# Altium PCB BACKPMAN3Rev1.0.PcbDoc (part 2 of 4) (continued)
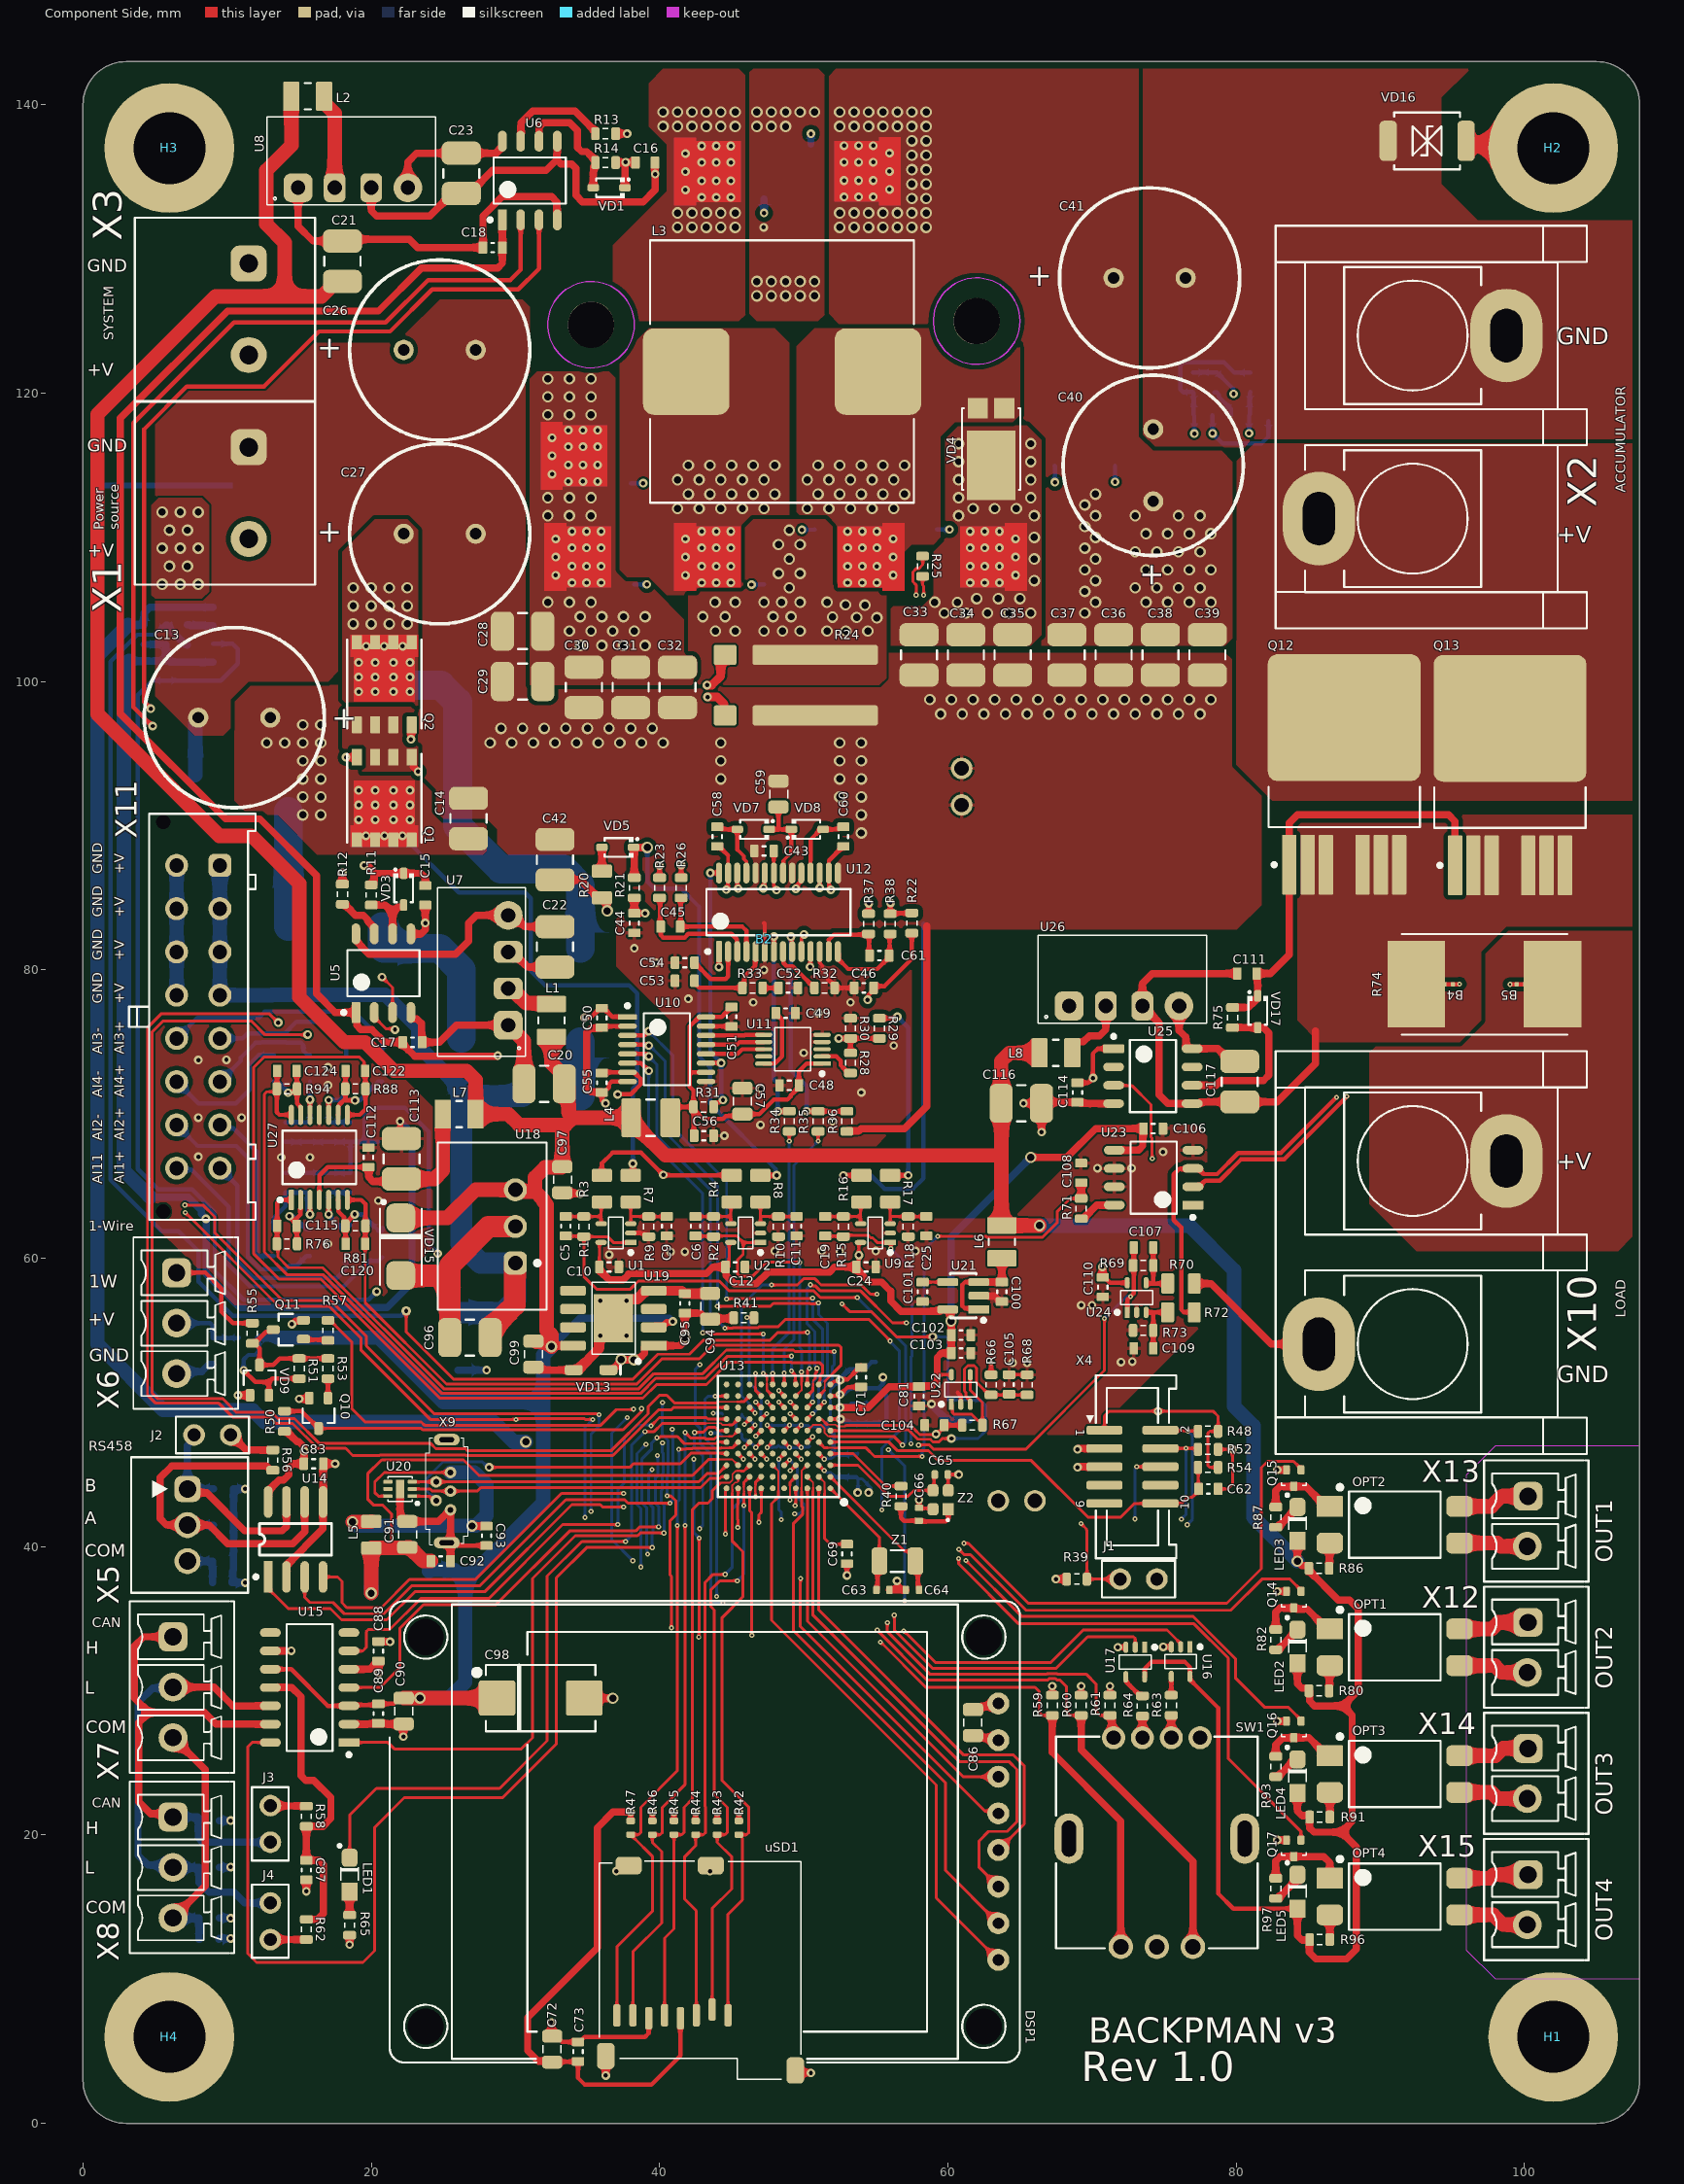
[diagram p0: Component Side view]
## Via types
v1: diameter 0.8, hole 0.5, Component Side to Bottom Layer, tented both sides, 351 vias
v2: diameter 0.6, hole 0.3, Component Side to Bottom Layer, tented both sides, 188 vias
v3: diameter 0.35/0.4/0.4/0.35 (per signal layer), hole 0.15, Component Side to Bottom Layer, tented both sides, 156 vias
v4: diameter 0.61, hole 0.3, Component Side to Bottom Layer, 135 vias
v5: diameter 0.7, hole 0.3, Component Side to Bottom Layer, 4 vias
v6: diameter 0.65, hole 0.3, Component Side to Bottom Layer, tented both sides, 2 vias
v7: diameter 0.63, hole 0.3, Component Side to Bottom Layer, tented both sides, 1 vias

## Nets (pads, with @x,y where several pads share a name; then routed paths per layer and width w, separated by ;. In a path a pad name is that pad's centre, name@x,y a point inside that pad or via, vN(x,y) a via of type N, cw(c..) or ccw(c..) an arc to the next point about the centre after c; other vN are vias at no path point)
1W: R55.1 X6.1 | length 7.6
  Component Side w0.3: X6.1@6.5,59 8.5,59 9.6,57.9 9.6,56.3 10.4,55.5 R55.1@11.75,55.5
1WRX: Q10.3 R50.2 U13.H5 | length 37.2
  Component Side w0.2: Q10.3@16.35,48.2 23.459,48.2 23.559,48.1 37.472,48.1 38.727,49.355 38.727,49.55 v3(38.756,49.579) ; v3(48.275,50.025) U13.H5@48.65,49.65
  Component Side w0.3: R50.2@13.975,49.4 15.15,49.4 16.05,48.5 16.2,48.5 16.35,48.35 Q10.3@16.35,48.2
  Layer 2 w0.2: v3(38.756,49.579) 38.756,49.59 39.661,50.495 42.22,50.495 42.75,51.025 47.275,51.025 v3@48.25,50.05
1WTX: R57.1 U13.J5 | length 39.2
  Component Side w0.2: R57.1@17,55.7 17.15,55.7 18.65,54.2 18.65,49.575 19.575,48.65 23.469,48.65 23.694,48.425 35.925,48.425 37.006,49.506 38.166,49.506 v3(38.195,49.535) ; v3(48.275,50.825) U13.J5@48.65,50.45
  Layer 2 w0.2: v3(38.195,49.535) 38.233,49.573 38.233,49.737 39.983,51.486 47.639,51.486 v3@48.275,50.85
+3.3ADCV: C1.2 C2.2 C10.1 C12.1 C24.1 C79.2 C80.1 C81.1 C102.2 C103.1 C106.1 C110.1 R25.2 R66.2 U1.5 U2.5 U3.8 U4.8 U9.5 U13.H1 U21.5 U22.5 U23.5 U24.5 | length 328.2
  Component Side w0.2: C10.1@35.825,59.4 35.825,61.031 35.894,61.1 U1.5@35.95,61.1 ; C12.1@44.825,59.4 44.825,61.031 44.894,61.1 U2.5@44.95,61.1 ; U13.H1@51.85,49.65 v2(52.525,49.65) ; C24.1@53.825,59.4 v2(53.825,60.215) 53.825,61.031 53.894,61.1 U9.5@53.95,61.1 ; R25.2@58.25,107.3 58.25,106.7 58.325,106.625 v3(58.325,106) ; 59.263,51.925 U22.5@60.25,51.925
  Component Side w0.3: R66.2@63,51.925 v3(63,52.75) ; C110.1@70.75,58.675 70.875,58.675 71.25,58.3 U24.5@72.45,58.3
  Component Side w0.5: C10.1@35.825,59.4 35.875,59.35 35.875,59.145 36.52,58.5 37.486,58.5 37.85,58.864 37.85,58.9 37.903,58.953 43.256,58.953 43.703,59.4 C12.1@44.575,59.4 44.625,59.35 44.625,58.804 45.204,58.225 46.719,58.225 47.549,59.055 51.791,59.055 52.136,59.4 C24.1@53.65,59.4 53.645,59.395 53.645,59.28 54.572,58.353 55.397,58.353 56.032,57.718 56.032,57.048 56.756,56.325 U21.5@59.469,56.325 ; v2(52.525,49.65) 54.476,49.65 55.926,51.1 C81.1@58,51.1 58.05,51.15 58.9,51.15 59.263,51.513 59.263,51.925 59.263,53.132 59.555,53.425 C103.1@60.25,53.425 60.237,53.437 60.237,55.638 v1(60.225,55.65) 60.168,55.707 60.168,56.425 60.143,56.45 U21.5@60,56.45 ; v1(65.75,67) 68.25,67 70.25,69 C106.1@73.575,69 73.525,68.95 73.525,67.793 73.232,67.5 U23.5@71.55,67.5 ; v2(70.725,59.4) 70.738,59.387 70.738,58.688 C110.1@70.75,58.675
  Layer 2 w0.2: v2(53.825,60.215) 53.84,60.215 55.7,62.075 55.7,82.152 53.575,84.277 53.575,85.115 56.05,87.59 56.05,99.675 58.35,101.975 58.35,104.759 58.287,104.822 58.287,105.962 v3(58.325,106)
  Layer 2 w0.3: 62.975,55.65 63,55.625 v3(63,52.75)
  Layer 2 w0.4: 51.85,50.413 51.85,50.341 52.509,49.682 v2@52.527,49.682
  Layer 2 w0.5: v1(30.725,47.275) 34.727,47.275 36.027,48.575 36.038,48.575 36.375,48.912 36.375,48.923 41.186,53.733 45.259,53.733 45.314,53.788 50.584,53.788 51.85,52.522 51.85,50.413 ; v2(52.525,49.65) v2@52.542,49.667 ; v1(60.225,55.65) 62.975,55.65 66.975,55.65 v2(70.725,59.4) 81.35,70.025 81.35,115.074 80.9,115.524 v2(80.9,117.225)
  Bottom Layer w0.3: v2(52.525,49.65) 52.606,49.65 52.706,49.75 53.15,49.75 C80.1@53.3,49.9 C79.2@54.8,49.9 ; v2(80.9,117.225) 80.905,117.23 U4.8@80.905,118.475 80.952,118.522 80.952,120.028 C1.2@81,120.075
  Bottom Layer w0.5: 3.125,103.925 C2.2@4.25,103.925 4.25,104.75 4.655,105.155 U3.8@9.025,105.155 ; v1(60.225,55.65) 60.225,61.475 v1(65.75,67)
  Bottom Layer w1: 3.125,103.925 1,101.8 1,54.05 5.575,49.475 11.762,49.475 12.587,48.65 28.5,48.65 29.875,47.275 v1(30.725,47.275)
+3V3: C17.1 C18.1 C50.2 C55.2 C70.2 C71.2 C72.2 C73.2 C74.2 C75.2 C76.2 C77.2 C78.2 C83.1 C86.2 C88.2 C94.2 C95.2 C114.1 DSP1.2 J1.2 R41.1 R42.2 R43.2 R44.2 R45.2 R46.2 R47.2 R48.2 R50.1 R54.2 R61.2 R65.2 SW1.C U5.1 U6.1 U10.1 U10.7 U13.D2 U13.F4 U13.F5 U13.F6 U13.K1 U14.8 U15.5 U19.1 U25.1 uSD1.4 VD13.1 X4.1 | length 208.9
  Component Side w0.2: v3(47.475,48.425) U13.F6@47.85,48.05 ; U13.F5@48.65,48.05 v3(49.025,48.425) ; U13.F4@49.45,48.05 v3(49.825,48.425) ; U13.D2@51.05,46.45 v3(51.425,46.075) ; U13.K1@51.85,51.25 51.906,51.25 52.129,51.473 52.448,51.473 v2(52.525,51.55) ; X4.1@70.864,48.08 70.864,49.064 71.2,49.4 v2(74.585,49.4) 78.4,49.4 78.75,49.05 R48.2@78.75,48 78.167,48 78.05,47.883 78.05,45.617 78.167,45.5 R54.2@78.75,45.5
  Component Side w0.3: C72.2@32.575,4.275 34.325,4.275 C73.2@34.35,4.3 34.35,3.15 34.825,2.675 39.425,2.675 41.45,4.7 uSD1.4@41.45,7.3 ; v2(34.798,76.7) 34.855,76.757 35.282,76.757 35.875,77.35 C50.2@36,77.35 36.125,77.35 36.725,76.75 37.765,76.75 U10.1@37.775,76.74 ; C55.2@36,72.85 36.05,72.9 U10.7@37.775,72.9 ; v2(37.094,71.364) 37.115,71.385 38.011,71.385 38.7,72.074 38.7,72.446 38.265,72.882 37.78,72.882 37.775,72.877 U10.7@37.761,72.89 ; R47.2@38,20.975 v2(38,21.6) ; R46.2@39.5,20.975 v2(39.5,21.6) ; R45.2@41,20.975 v2(41,21.6) ; R44.2@42.5,20.975 v2(42.5,21.6) ; R43.2@44,20.975 v2(44,21.6) ; R42.2@45.5,20.975 v2(45.5,21.6) ; v2(52.525,51.55) 52.582,51.607 53.057,51.607 C71.2@53.875,52.425 ; C114.1@69,72.175 69.75,72.175 v2(70.075,72.5) 70.053,72.522 70.053,74.193 70.4,74.54 U25.1@71.5,74.54 ; R61.2@71.1,29.7 R61.2@71.25,29.7 v2(71.25,30.325)
  Component Side w0.5: U14.8@12.845,43.1 12.845,43.873 13.597,44.625 13.925,44.625 14.275,44.975 14.275,45.457 14.568,45.75 C83.1@15.325,45.75 15.338,45.763 15.338,46.612 v2(15.35,46.624) 15.331,46.644 15.331,46.925 14.977,47.279 14.846,47.279 14.175,47.95 14.025,47.95 R50.1@13.975,48 ; U15.5@18.45,31.5 19.925,31.5 20.325,31.9 20.325,32.025 20.375,32.075 C88.2@20.5,32.075 20.513,32.063 20.513,31.262 v2(20.525,31.25) ; v2(18.5,12.4) R65.2@18.5,13.05 ; v2(28.775,74.05) 28.75,74.025 23.016,74.025 22.185,74.856 C17.1@22.185,74.981 20.919,74.981 20.035,75.865 19.283,75.865 18.99,76.158 18.99,77 U5.1@18.94,77.05 17.5,77.05 16.2,78.35 16.2,86.55 12.275,90.475 9.9,90.475 2.6,97.775 2.6,118.272 10.028,125.7 20.5,125.7 23.475,128.675 28.775,128.675 29.1,129 C18.1@29.1,130.1 29.097,130.102 29.097,132.023 U6.1@29.095,132.025 ; C72.2@32.575,4.275 32.513,4.337 31.558,4.337 30.85,5.045 30.85,7.35 35.675,12.175 35.675,20.5 36.775,21.6 v2(38,21.6) ; VD13.1@36.45,52.25 36.725,52.25 37.281,52.806 37.281,52.927 v1(37.338,52.984) 37.351,52.972 38.214,52.972 v1(38.227,52.959) 38.284,53.016 38.565,53.016 38.95,53.402 38.95,53.84 39.05,53.94 41.44,53.94 41.75,54.25 41.75,54.508 41.75,56.188 C95.2@41.758,56.196 42.831,56.196 43.26,55.767 C94.2@43.51,55.767 43.564,55.821 45.1,55.821 45.15,55.871 R41.1@45.15,55.875 ; C71.2@53.875,52.425 53.925,52.425 C71.2@53.975,52.475 ; C86.2@61.75,26.9 61.91,26.74 63.34,26.74 DSP1.2@63.5,26.58
  Bottom Layer w0.2: v3(47.475,48.425) 47.5,48.4 48.225,48.4 C76.2@48.25,48.375 48.275,48.4 49,48.4 v3(49.025,48.425) v3(49.825,48.425) 49.854,48.396 C78.2@50.329,48.396 ; C78.2@50.425,48.325 51.325,48.325 51.85,48.85 51.85,50.875 v2(52.525,51.55) ; v3(51.425,46.075) 51.454,46.104 51.879,46.104 C77.2@52.075,46.3 C77.2@52.175,46.4 ; C70.2@53.675,46.4 C70.2@53.775,46.5
  Bottom Layer w0.3: 51.325,48.325 51.575,48.325 52.075,47.825 C77.2@52.075,46.3 ; C77.2@52.175,46.4 C70.2@53.675,46.4 ; v2(52.525,51.55) 52.582,51.607 52.582,51.707 53.175,52.3 C75.2@53.3,52.3 54.209,52.3 54.709,52.8 C74.2@55,52.8
  Bottom Layer w0.5: v2(37.094,71.364) v2@37.114,71.345
  other v1: 41.758,54.508
+5V: C20.1 C21.1 C89.2 C90.2 C97.2 C98.1 C99.2 C116.1 L1.1 L2.1 L4.2 L6.1 L7.1 L8.1 LED2.1 LED3.1 LED4.1 LED5.1 R49.2 R51.1 R80.2 R86.2 R91.2 R96.2 U15.3 U15.10 U16.5 U17.5 U18.3 U19.2 U19.8 VD9.2 VD10.1 VD15.1 | length 397.6
  Component Side w0.3: v2(11.15,52.225) 11.95,51.425 12.9,51.425 ; VD9.2@12.9,50.5 12.9,51.425 ; U15.10@13,31.5 14.45,31.5 16.99,28.96 U15.3@18.45,28.96 18.507,29.017 20.417,29.017 C89.2@20.5,29.1 21.559,29.1 21.959,29.5 C90.2@22.25,29.5 ; R51.1@15,51.675 13.15,51.675 12.9,51.425 ; U17.5@73.65,30.975 73.66,30.985 73.66,31.535 74.15,32.025 76.425,32.025 76.79,31.66 76.79,30.785 78.75,28.825 78.75,15.95 79.8,14.9 LED5.1@84.25,14.9
  Component Side w0.5: L2.1@14.461,140.144 L2.1@14.461,140.589 ; C99.2@31.4,54.25 31.45,54.2 31.71,53.94 32.435,53.94 32.5,53.94 U19.8@34,53.94 ; U19.2@39.6,55.21 39.7,55.31 40.25,55.31 40.496,55.556 40.868,55.556 v2@40.926,55.613 ; LED5.1@84.25,14.9 84.25,13.018 84.543,12.725 85.075,12.725 85.075,11.875 85.55,11.4 87.65,11.4 88.325,12.075 88.325,19.175 87.3,20.2 ; LED4.1@84.25,22.9 84.25,21.65 84.543,21.357 85.05,21.357 85.1,21.307 R91.2@85.1,21.25 85.1,20.493 85.393,20.2 87.3,20.2 ; LED2.1@84.25,31.9 84.25,30.493 84.543,30.2 85,30.2 85.05,30.15 R80.2@85.05,30 85.1,29.95 85.1,29.3 85.45,28.95 87.4,28.95 ; LED3.1@84.25,40.4 v1(84.25,38.993) 84.543,38.7 85,38.7 85.05,38.65 R86.2@85.05,38.5 85.05,38.35 87.1,36.3 87.875,36.3 88.475,35.7 88.475,30.025 87.4,28.95 ; 87.3,20.2 88.05,20.95 88.05,28.3 87.4,28.95
  Component Side w1: L2.1@14.461,140.144 14.461,137.187 13.545,136.271 12.725,135.451 12.725,131.724 13.995,130.454 13.995,126.721 ; C21.1@18,127.75 17.45,127.75 17.15,127.45 17.15,127.306 16.564,126.721 13.995,126.721 ; VD15.1@22.05,62.8 25.284,62.8 27.234,64.75 U18.3@30,64.75 30.115,64.635 31.365,64.635 ; C90.2@22.25,29.5 v1(23.375,29.5) C98.1@28.725,29.5 ; C99.2@31.45,54.2 32.175,54.2 32.435,53.94 v1(32.5,53.875) 32.5,53.94 32.5,54.679 32.175,55.004 32.175,63.723 31.925,63.973 31.925,64.075 31.365,64.635 ; L1.1@32.5,75.365 32.5,73.536 33.086,72.95 33.1,72.95 33.4,72.65 C20.1@33.4,72.1 33.7,71.8 33.7,70.05 34,69.75 ; v1(66.356,62.27) L6.1@63.75,62.27 63.725,62.295 63.725,67.183 ; L8.1@66.365,74.25 64.286,74.25 63.7,73.664 C116.1@63.7,70.75 63.725,70.725 63.725,67.183 ; 13.995,126.721 9.195,126.721 1,118.526 1,97.755 3.189,95.566 9.449,89.306 11.694,89.306 15,86 15,78.116 18.126,74.99 19.574,74.99 21.565,73 26.619,73 27.235,72.384 L7.1@27.235,70 29.5,70 30.25,69.25 33.5,69.25 ; 31.365,64.635 31.365,65.615 32.05,66.3 33.2,66.3 C97.2@33.25,66.35 33.25,69 33.5,69.25 ; 33.5,69.25 34,69.75 ; 34,69.75 L4.2@38.03,69.75 38.03,69.08 38.22,68.89 38.654,68.89 40.411,67.132 63.674,67.132 63.725,67.183
  Bottom Layer w0.3: v2(11.15,52.225) 11.15,52.975 11.475,53.3 11.95,53.3 12.2,53.55 R49.2@12.2,54.5
  Bottom Layer w0.5: R49.2@12.2,54.5 13.47,54.5 ; v1(32.5,53.875) 34.47,55.845 40.667,55.845 40.889,55.623 v2(40.916,55.623)
  Bottom Layer w1: 13.47,54.5 20.532,54.5 25.007,50.025 31.925,50.025 ; v1(23.375,29.5) 25.411,29.5 26.518,30.607 26.518,37.617 ; VD10.1@24,38.3 24.079,38.379 25.756,38.379 26.518,37.617 ; U18.3@30,64.75 U18.3@30.115,64.635 ; v1(32.5,53.875) 31.925,53.3 31.925,50.025 ; v1(66.356,62.27) 76.755,62.27 79.85,59.175 79.85,49.747 81.2,48.397 81.2,42.043 v1(84.25,38.993) ; 26.518,37.617 31.925,43.025 31.925,50.025
+5V0_DCDC: C48.1 C51.2 C56.2 C57.2 L4.1 R31.1 U10.10 U10.16 U11.1 | length 25.9
  Component Side w0.3: L4.1@40.75,69.75 40.75,69.962 41.288,70.5 R31.1@42.35,70.5 ; C56.2@42.4,68.5 42.375,68.525 R31.1@42.375,70.325 ; U10.10@43.225,72.9 42.276,72.9 42.1,72.724 ; C51.2@45,77.425 44.875,77.425 44.725,77.275 44.725,77.15 44.315,76.74 U10.16@43.225,76.74 42.75,76.74 42.1,76.09 42.1,72.724 ; U11.1@51.275,73.5 50.2,73.5 49.675,72.975 C48.1@49.675,72 49.675,71.875 49.101,71.301 49.101,71.226 48.875,71 47.925,71 46.925,70 C57.2@45.75,70 45.625,69.875 44.6,69.875 44.375,69.65 43.05,69.65 R31.1@42.375,70.325 ; 42.1,72.724 42.1,71.9 42.35,71.65 R31.1@42.35,70.5 ; R31.1@42.35,70.5 42.35,70.35 R31.1@42.375,70.325
+ACCV: Q12.2 Q13.2 U4.1 U4.2 X2.1
+ACCV1: C36.1 C37.1 C38.1 C39.1 C40.1 C41.1 Q4.3 R17.1 R19.2 R29.2 U4.3 U4.4 | length 50.9
  Component Side w0.3: R29.2@55.25,76.65 56.319,76.65 56.419,76.75 v2(56.5,76.75) ; R17.1@56,65.75 v2(57.25,65.75)
  Layer 2 w0.3: v2(56.5,76.75) 56.5,80.415 56.425,80.49 56.425,84.074 57.75,85.399 57.75,99 60.825,102.075 66.825,102.075 v1(69.5,104.75) ; v2@57.212,65.75 v2(57.25,65.75)
  Bottom Layer w0.3: v2(56.5,76.75) 57.25,76 v2(57.25,65.75)
  other v1: 70.25,105.5 73.75,105.5 75.25,105.5 76.75,105.5 78.25,105.5 69.5,106.25 73,106.5 74.5,106.5 76,106.5 77.5,106.5 70.25,107 69.5,107.75 73.75,107.75 75.25,107.75 76.75,107.75 78.25,107.75 70.25,108.5 73,109 74.5,109 76,109 77.5,109 69.5,109.25 70.25,110 73.75,110.25 75.25,110.25 76.75,110.25 78.25,110.25 69.5,110.75 70.25,111.5 73,111.5 76,111.5 77.5,111.5 69.5,112.25 70.25,113 52.5,131.5 53.5,131.5 54.5,131.5 55.5,131.5 56.5,131.5 57.5,131.5 58.5,131.5 52.5,132.5 53.5,132.5 54.5,132.5 55.5,132.5 56.5,132.5 57.5,132.5 58.5,132.5 57.5,133.5 58.5,133.5 57.5,134.5 58.5,134.5 57.5,135.5 58.5,135.5 57.5,136.5 58.5,136.5 57.5,137.5 58.5,137.5 52.5,138.5 53.5,138.5 54.5,138.5 55.5,138.5 56.5,138.5 57.5,138.5 58.5,138.5 52.5,139.5 53.5,139.5 54.5,139.5 55.5,139.5 56.5,139.5 57.5,139.5 58.5,139.5
  other v4: 52.796,133.607 53.812,133.607 54.828,133.607 55.95,134.13 52.796,134.75 53.812,134.75 54.828,134.75 55.95,135.38 52.796,136.02 53.812,136.02 54.828,136.02 55.95,136.655 52.796,137.163 53.812,137.163 54.828,137.163
+ACCV_SW: C16.2 C23.1 Q3.2 Q4.2 U6.5 U8.3 | length 41.1
  Component Side w0.5: U8.3@20,134.25 20,132.654 20.371,132.283 24.054,132.283 25.621,133.85 26.814,133.85 28.414,135.45 32.132,135.45 32.875,136.193 ; U6.5@32.905,137.475 32.886,137.456 32.886,136.325 32.875,136.314 32.875,136.193 ; C16.2@39.675,136 39.675,135.225 v2(39.7,135.2) 39.7,134.1 38.875,133.275 34.65,133.275 34.2,133.725 34.2,135.6 33.9,135.9 33.168,135.9 33.009,136.059 32.875,136.193
  Layer 2 w0.5: v2(39.7,135.2) 39.719,135.181 39.719,131.281 40.5,130.5 46.225,130.5 v2(47.225,131.5)
  other v1: 46.75,126.75 47.75,126.75 48.75,126.75 49.75,126.75 50.75,126.75 46.75,127.75 47.75,127.75 48.75,127.75 49.75,127.75 50.75,127.75 46.75,138.5 47.75,138.5 48.75,138.5 46.75,139.5 47.75,139.5 48.75,139.5 49.75,139.5 50.75,139.5
+CHRGV: C33.1 C34.1 C35.1 Q7.3 R19.1 VD4.3
  other v1: 59.75,104.75 61.25,104.75 62.75,104.75 64.25,104.75 65.75,104.75 60.667,105.487 59.087,105.5 62,105.75 63.5,105.75 65,105.75 66,107 66,108.5 66,110 60.75,111.5 66,111.5 61.75,112 63.25,112 64.75,112 60.75,112.75 65.75,112.75 60.75,114 65.75,114 60.75,115.25 65.75,115.25 60.75,116.5 65.75,116.5
  other v4: 61.546,106.857 62.562,106.857 63.578,106.857 64.7,107.38 61.546,108 62.562,108 63.578,108 64.7,108.63 61.546,109.27 62.562,109.27 63.578,109.27 64.7,109.905 61.546,110.413 62.562,110.413 63.578,110.413
+LOADV: B5.1 R74.1 X10.2
+LOADV1: B4.1 C111.2 C117.1 Q12.3 Q13.3 R74.2 U25.5 U26.3 | length 29.7
  Component Side w0.5: C111.2@80.075,79.75 74.187,79.75 73.5,79.063 73.5,77.318 73.99,76.827 74.173,76.827 74.651,76.349 74.651,71.349 75.269,70.73 U25.5@76.95,70.73 77.402,70.73 77.522,70.85 C117.1@80.25,70.85 82.85,70.85 85.5,73.5 85.5,75.75
+PSRC: U3.1 U3.2 X1.2 | length 0.1
  Bottom Layer w2: X1.2@11.5,109.765 X1.2@11.5,109.9
+PSRC1: C13.1 C14.1 F2.1 Q1.3 R7.1 U3.3 U3.4 VD2.2 | length 44.6
  Component Side w0.3: R7.1@38,65.75 38.15,65.9 v6(38.15,66.551)
  Bottom Layer w0.3: v4(22.16,89.3) 26.085,85.375 30.675,85.375 31.075,84.975 31.075,79.925 32.057,78.943 37.871,78.943 38.465,78.35 38.465,72.06 38.15,71.745 v6(38.15,66.551)
  Bottom Layer w2: F2.1@14.25,83 14.25,91
  other v1: 15.25,90.75 16.5,90.75 15.25,92 16.5,92 15.25,93.25 16.5,93.25 15.25,94.5 16.5,94.5 12.75,95.75 14,95.75 15.25,95.75 16.5,95.75 15.25,97 16.5,97
  other v4: 19.635,89.3 20.91,89.3 19.127,90.422 20.27,90.422 21.54,90.422 22.683,90.422 19.127,91.438 20.27,91.438 21.54,91.438 22.683,91.438 19.127,92.454 20.27,92.454 21.54,92.454 22.683,92.454
+PSRC_SW: C15.2 C22.1 Q1.2 Q2.2 U5.5 U7.3 | length 25
  Component Side w0.5: U5.5@22.75,82.5 23.457,82.5 23.75,82.793 v2(23.75,83.25) C15.2@23.75,84.5 ; Q1.2@22.81,94.75 22.91,94.65 22.91,94.09 v2(23.25,93.75) ; U7.3@29.5,81.25 29.784,81.25 30.834,80.2 C22.1@32.75,80.2
  Layer 2 w0.5: v2@23.269,93.731 23.75,93.25 v2(23.75,83.25) 25.5,83.25 27.5,81.25 U7.3@29.5,81.25
+PSRCV_IN: C96.1 U18.1 VD11.1 VD12.1 VD14.1 X11.1 X11.2 X11.3 X11.4 | length 61.3
  Component Side w1.5: C96.1@28.25,54.5 28.25,55.05 29.95,56.75 29.95,59.62 U18.1@30,59.67
  Bottom Layer w1: X11.1@9.5,87.25 X11.2@9.5,84.25 X11.3@9.5,81.25 X11.4@9.5,78.25 13.104,78.25 13.119,78.265 20.985,78.265 23.25,76 23.25,74.75 25.75,72.25 25.75,71.75 VD12.1@26.25,71.25
  Bottom Layer w1.5: VD14.1@26,56.25 26.022,56.228 29.121,56.228 30,57.107 U18.1@30,59.67 27.58,59.67 26.25,61 VD12.1@26.25,71.25 VD11.1@30.5,71.25
+SW2: C60.2 L3.2 Q7.2 Q9.3 U12.16 VD4.1 VD4.2 | length 30.1
  Component Side w0.25: 51.765,87.59 51.765,87.526 51.743,87.503 U12.16@51.743,86.725 51.743,85.807 51.896,85.653 v2(51.896,85.559)
  Component Side w0.3: 51.765,87.59 52.475,88.3 52.475,88.425 52.625,88.575 C60.2@52.75,88.575
  Layer 2 w0.6: v2(51.896,85.559) 51.896,85.399 51.424,84.927 50.802,84.927 50.356,85.373 50.356,97.294 56.198,103.136 56.198,107.378 v4(56.2,107.38)
  other v1: 50.25,112 51.75,112 53.25,112 54.75,112 56.25,112 51,113 52.5,113 54,113 55.5,113 57,113 50.25,114 51.75,114 53.25,114 54.75,114 56.25,114 51,115 52.5,115 54,115 55.5,115 57,115
  other v4: 53.046,106.857 54.062,106.857 55.078,106.857 53.046,108 54.062,108 55.078,108 56.2,108.63 53.046,109.27 54.062,109.27 55.078,109.27 56.2,109.905 53.046,110.413 54.062,110.413 55.078,110.413
+SYSV: C26.1 C27.1 C28.1 C29.1 C30.1 C31.1 C32.1 F1.1 Q2.3 Q3.3 Q5.3 Q6.3 R8.1 R21.2 VD5.1 VD6.2 X3.2 | length 81.1
  Component Side w0.3: R8.1@47,65.75 v7(48.125,65.75)
  Component Side w0.5: VD5.1@38.2,88.5 VD5.1@38.25,88.5 ; R21.2@38.25,86.4 VD5.1@38.25,88.5 ; v1(39.15,88.5) VD5.1@38.25,88.5
  Layer 2 w0.5: v4(35.954,106.857) 37.261,105.55 39.25,105.55 39.75,105.05 39.75,102.65 41.575,100.825 41.575,90.925 v1(39.15,88.5)
  Bottom Layer w0.3: v1(39.15,88.5) 39.15,86.125 39.625,85.65 41.482,85.65 42.75,84.382 42.75,74 43.5,73.25 43.5,70.75 48.072,66.178 48.072,65.803 v7(48.125,65.75)
  Bottom Layer w2: 23.137,99.75 24.828,99.75 26,98.578 26,90 29,87 33.328,87 34.5,85.828 F1.1@34.5,81.5
  other v1: 34.5,102.5 36,102.5 37.5,102.5 39,102.5 33.75,103.5 35.25,103.5 36.75,103.5 38.25,103.5 18.75,104 20,104 21.25,104 22.5,104 34.5,104.5 36,104.5 37.5,104.5 39,104.5 18.75,105.25 20,105.25 21.25,105.25 22.5,105.25 32.25,105.5 33.75,105.5 35.25,105.5 18.75,106.5 20,106.5 21.25,106.5 22.5,106.5 32.25,111.5 33.75,111.5 35.25,111.5 32.25,112.75 33.75,112.75 35.25,112.75 32.25,118.5 33.75,118.5 35.25,118.5 32.25,119.75 33.75,119.75 35.25,119.75 32.25,121 33.75,121 35.25,121 41.25,131.5 42.25,131.5 43.25,131.5 44.25,131.5 45.25,131.5 41.25,132.5 42.25,132.5 43.25,132.5 44.25,132.5 45.25,132.5 40.25,138.5 41.25,138.5 42.25,138.5 43.25,138.5 44.25,138.5 45.25,138.5 40.25,139.5 41.25,139.5 42.25,139.5 43.25,139.5 44.25,139.5 45.25,139.5
  other v4: 19.127,99.296 20.27,99.296 21.54,99.296 22.683,99.296 19.127,100.312 20.27,100.312 21.54,100.312 22.683,100.312 19.127,101.328 20.27,101.328 21.54,101.328 22.683,101.328 19.65,102.45 20.9,102.45 22.175,102.45 33.922,106.857 34.938,106.857 32.8,107.365 33.922,108 34.938,108 35.954,108 32.8,108.64 33.922,109.27 34.938,109.27 35.954,109.27 32.8,109.89 33.922,110.413 34.938,110.413 35.954,110.413 33.672,113.877 34.688,113.877 35.704,113.877 32.55,114.385 33.672,115.02 34.688,115.02 35.704,115.02 32.55,115.66 33.672,116.29 34.688,116.29 35.704,116.29 32.55,116.91 33.672,117.433 34.688,117.433 35.704,117.433 42.922,133.587 43.938,133.587 44.954,133.587 41.8,134.095 42.922,134.73 43.938,134.73 44.954,134.73 41.8,135.37 42.922,136 43.938,136 44.954,136 41.8,136.62 42.922,137.143 43.938,137.143 44.954,137.143
+V1W: C82.1 R49.1 X6.2 | length 5.3
  Bottom Layer w0.3: X6.2@6.5,55.5 8.824,55.5 9,55.324 C82.1@9,54.45 9.025,54.475 10.775,54.475 R49.1@10.8,54.5
ACC_I: C3.1 R5.1 U13.J3 | length 99.3
  Component Side w0.125: 50.65,51.044 50.65,51.505 50.82,51.675
  Component Side w0.2: U13.J3@50.25,50.45 50.65,50.85 50.65,51.044 ; v3(50.475,58.175) 50.516,58.175 50.616,58.075 50.825,58.075 51.166,57.734 53.95,57.734 56.159,55.524 v3(57.125,55.524) ; 50.82,51.675 50.82,52.016 50.896,52.092 50.896,52.346 v3(50.925,52.375)
  Layer 2 w0.2: v3(57.125,55.524) 57.582,55.981 57.582,56.182 58.025,56.625 66.475,56.625 68.225,58.375
  Layer 2 w0.3: 68.225,58.375 80.725,70.875 80.725,114.599 79.825,115.499 v2(79.825,119.95)
  Bottom Layer w0.2: v3(50.475,58.175) 50.475,58.15 50.225,57.9 50.225,55.471 50.775,54.921 50.775,52.566 50.925,52.416 v3(50.925,52.375)
  Bottom Layer w0.3: C3.1@77,121.425 77.012,121.437 78.487,121.437 R5.1@78.5,121.45 78.65,121.45 79.825,120.275 v2(79.825,119.95)
ACC_V: C19.1 R15.2 U9.1 U13.G4 | length 31.8
  Component Side w0.2: v3(49.075,49.225) U13.G4@49.45,48.85 ; C19.1@51.5,61.55 51.525,61.525 52.725,61.525 R15.2@52.756,61.494 ; R15.2@52.75,61.5 52.85,61.6 54.467,61.6 54.643,61.425 54.775,61.425 55.1,61.1 U9.1@56,61.1 56.05,61.05 v3(56.05,60.675)
  Layer 2 w0.2: v3(49.075,49.225) 49.05,49.2 48.59,49.2 48.387,48.997 48.387,48.108 48.62,47.875 50.101,47.875 50.461,48.235 51.003,48.235 51.638,47.6 54.051,47.6 54.585,48.133 56.479,48.133 57.452,47.16 v3(57.452,47.14)
  Bottom Layer w0.2: v3(56.05,60.675) 57.525,59.2 57.525,53.239 57.434,53.148 57.434,47.159 v3(57.452,47.14)
ACCUM_I+: R19.3 R37.2 | length 39.8
  Component Side w0.3: R37.2@54.5,83.9 54.512,83.913 54.512,84.613 v2(54.525,84.625)
  Layer 2 w0.3: v2(54.525,84.625) 56.67,86.77 56.67,99.447 60.398,103.175 66.175,103.175 67.425,104.425 v2(67.425,113.825)
  Bottom Layer w0.3: R19.3@67.4,114.95 67.425,114.925 v2(67.425,113.825)
ACCUM_I-: R19.4 R22.2 R38.2 | length 44.2
  Component Side w0.3: v2(56.025,84.65) 56,84.625 R38.2@56,83.9 56.025,83.925 57.475,83.925 R22.2@57.5,83.95
  Layer 2 w0.3: v2(56.025,84.65) 57.21,85.835 57.21,99.224 60.601,102.615 60.615,102.615 60.635,102.635 66.399,102.635 67.965,104.201 67.965,113.24 68.575,113.85 v2(71.6,113.85)
  Bottom Layer w0.3: v2(71.6,113.85) R19.4@71.6,114.95
AGND: B3.1 C1.1 C2.1 C3.2 C4.2 C7.1 C8.1 C9.2 C10.2 C11.2 C12.2 C24.2 C25.2 C47.2 C79.1 C80.2 C81.2 C100.1 C101.2 C102.1 C103.2 C104.2 C105.2 C106.2 C108.1 C109.2 C110.2 C112.2 C113.2 C119.1 R9.1 R10.1 R18.1 R27.1 R68.1 R73.1 U1.2 U2.2 U3.5 U4.5 U9.2 U13.G1 U21.2 U22.2 U23.4 U23.6 U23.7 U24.2 U27.11 | length 160.2
  Component Side w0.2: R9.1@39.25,61.5 R9.1@39.275,61.525 ; C9.2@40.5,61.55 C9.2@40.625,61.55 ; R10.1@48.05,61.304 R10.1@48.246,61.5 ; C11.2@49.5,61.55 C11.2@49.625,61.55 ; U13.G1@51.85,48.85 v2(52.55,48.85) ; C24.2@55.175,59.4 C24.2@55.225,59.45 ; C105.2@64.25,51.925 R68.1@65.5,51.925
  Component Side w0.3: v2(22,69.5) 22,68.4 C112.2@22.1,68.3 ; U1.2@38,61.75 38.85,61.75 39.1,61.5 R9.1@39.25,61.5 ; 60.681,50.673 60.89,50.463 60.89,49.885 U22.2@60.9,49.875 ; U24.2@73.077,56.015 U24.2@73.1,56.039
  Component Side w0.5: v2(36.5,60.25) v2@36.519,60.231 ; C10.2@37.225,59.45 C10.2@37.225,59.475 ; C101.2@58.2,57.05 C101.2@58.25,57 ; U21.2@62.15,57.4 62.175,57.375 63.25,57.375 63.625,57 C100.1@63.75,57
  Layer 2 w0.5: v2(74.925,67.378) 79.475,71.928 79.475,114.05 77.119,116.406 77.119,117.181 v2(77.1,117.2)
  Bottom Layer w0.2: v2@21.925,69.425 v2(22,69.5)
  Bottom Layer w0.3: v2(52.55,48.85) 52.631,48.85 52.781,48.7 53.15,48.7 C80.2@53.3,48.55 C79.1@54.8,48.55 54.85,48.6 B3.1@55.65,48.6 ; v2(77.1,117.2) 77.095,117.205 U4.5@77.095,118.475 77.047,118.523 77.047,120.027 C3.2@77,120.075 76.301,120.075 76.125,120.251 76.125,121.925 76.35,122.15 79.15,122.15 79.875,121.425 C1.1@81,121.425
  Bottom Layer w0.5: 3.2,101.425 C8.1@5.75,101.425 ; C2.1@4.25,102.575 C4.2@5.562,102.575 ; 4.662,64.244 7.3,64.244 8.207,63.338 8.207,63.093 8.551,62.748 8.551,58.911 10.871,56.591 21.107,56.591 22.826,58.31 22.826,68.674 v2(22,69.5) ; C4.2@5.75,102.575 5.75,101.638 6.043,101.345 U3.5@9.025,101.345 ; v2(58.869,49.894) 58.888,49.875 58.888,49.812 59.825,48.875 59.95,48.875 60.012,48.812 61.488,48.812 R27.1@61.5,48.8
  Bottom Layer w1: 3.2,101.425 2.85,101.075 2.85,66.056 4.302,64.605 4.662,64.244
  other v2: 64.5,52.75 65.5,52.75 72.009,52.807 72.796,52.832 69.25,56.75 70,56.75 40.767,60.452 41.758,60.452 52.505,60.471 48,60.5 51.25,60.5 55,60.5 57.75,60.5 17,61 8.534,62.738 20.5,64 70.377,66.249 72.75,66.25 13.75,67 15.75,67 8,67.043 8,69.75 11,69.75 17,72 17,73.25 8,73.75 9.954,73.765
AIN1: C120.1 R81.2 U13.J2 U27.7 | length 48.8
  Component Side w0.125: 51.45,50.85 51.459,50.859 51.459,51.445 51.47,51.456
  Component Side w0.2: C120.1@19.575,61 19.575,56.925 25.225,51.275 38.418,51.275 40.168,53.025 42.763,53.025 43.708,53.969 52.431,53.969 52.603,53.797 52.603,52.609 51.47,51.476 51.47,51.456 ; U13.J2@51.05,50.45 51.45,50.85
  Component Side w0.3: U27.7@18.35,64.05 19.3,64.05 19.6,63.75 R81.2@19.6,62.25 19.587,62.237 19.587,61.012 C120.1@19.575,61
AIN1+: R84.1 X11.8 | length 16.1
  Bottom Layer w0.3: X11.8@9.5,66.25 10.709,65.041 10.709,59.786 11.845,58.65 17.622,58.65 18.25,59.278 R84.1@18.25,60.15
AIN1-: R83.1 X11.16 | length 20.8
  Bottom Layer w0.3: X11.16@6.506,66.25 6.622,66.134 7.552,66.134 10.109,63.576 10.109,59.538 11.597,58.05 18.096,58.05 19.875,59.829 20.504,59.829 R83.1@20.75,60.075
AIN2: C115.1 R76.2 U13.H2 U27.1 | length 52.7
  Component Side w0.2: R76.2@13.45,61 R76.2@13.463,61.013 ; R76.2@13.525,60.925 13.525,60.1 14.275,59.35 16.628,59.35 25.028,50.95 38.552,50.95 39.602,52 43,52 44.644,53.644 49.283,53.644 49.401,53.527 v3(52.118,53.527) ; U13.H2@51.05,49.65 v3(51.425,50.025)
  Component Side w0.3: R76.2@13.45,61 R76.2@13.525,60.925 ; R76.2@13.463,61.013 13.463,62.238 C115.1@13.475,62.25 13.475,63.825 13.7,64.05 U27.1@14.45,64.05
  Bottom Layer w0.2: v3(51.425,50.025) 51.425,51.044 51.975,51.594 51.975,52.468 52.118,52.612 v3(52.118,53.527)